# KiCad board RP2350_60QFN_minimal.kicad_pcb (continued)
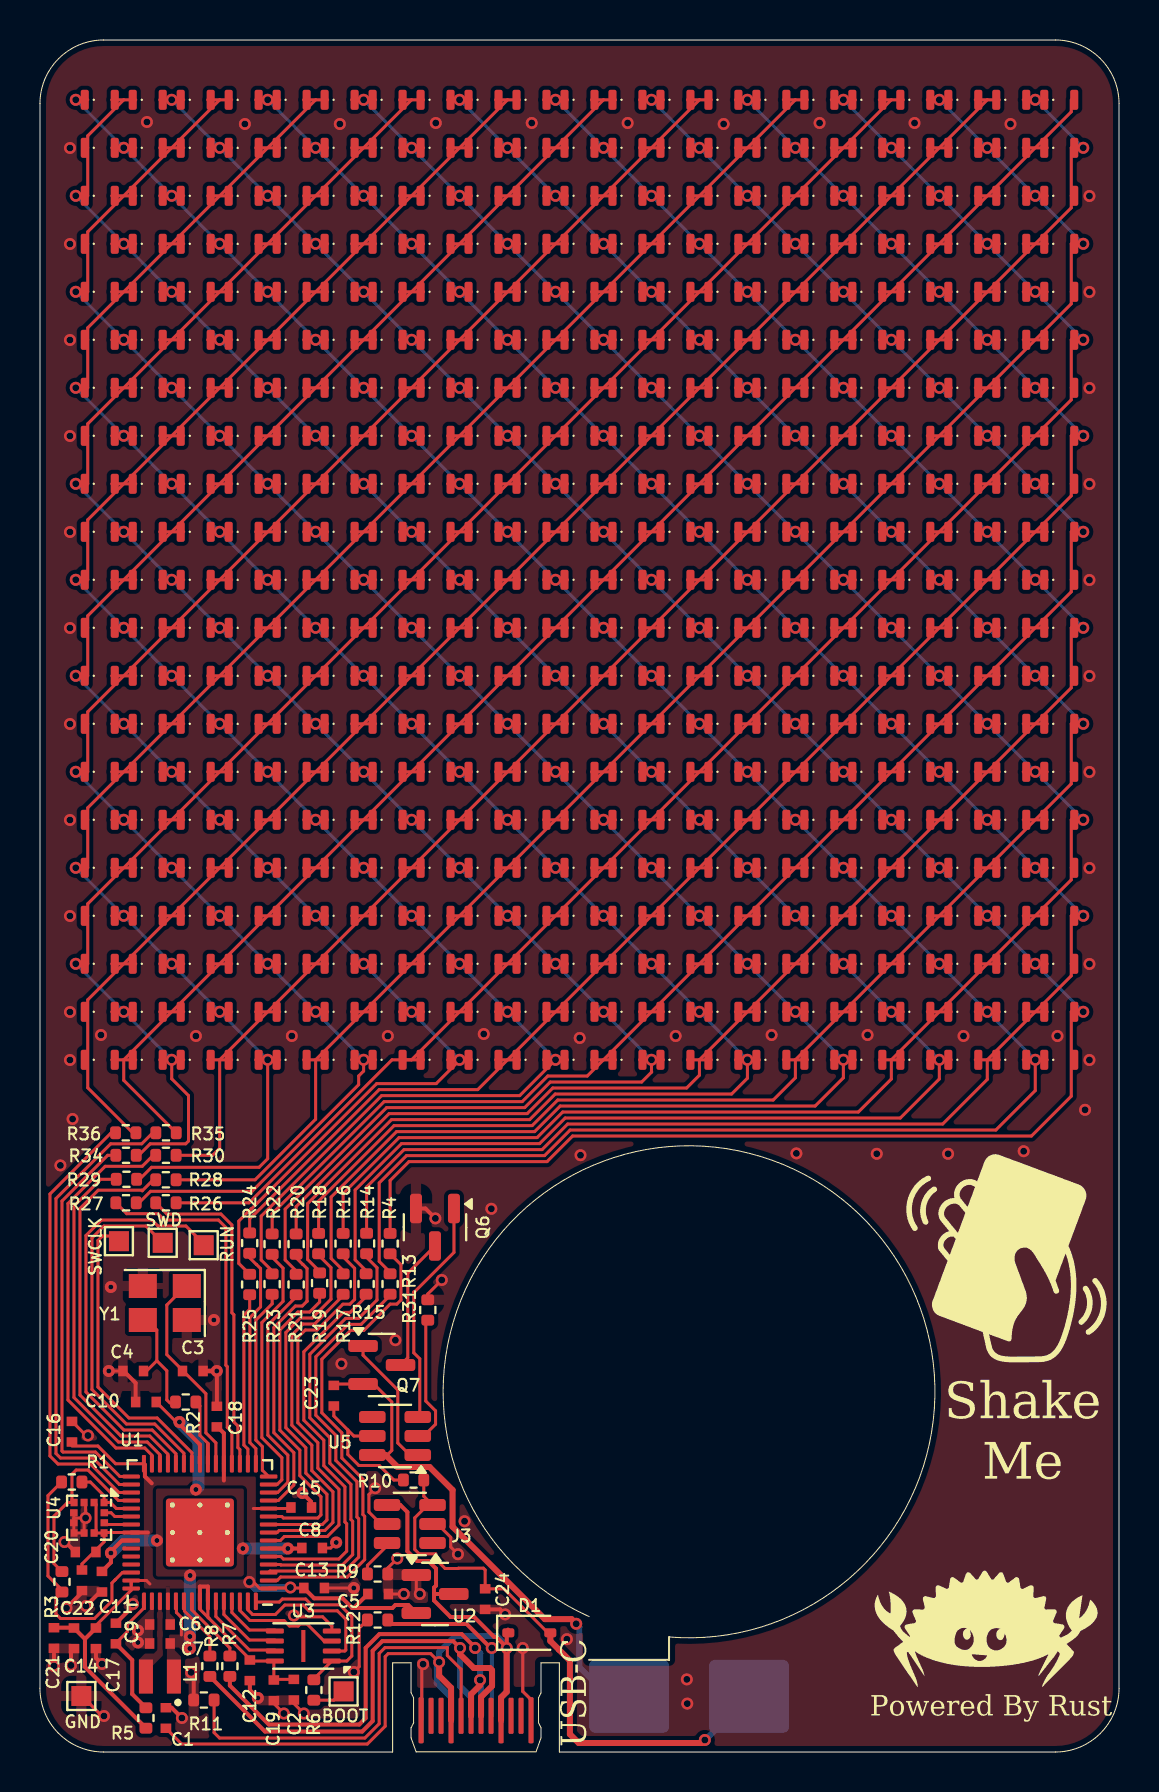
[diagram p0: board, top side]
## Routing (per net, layer and track width the routed paths; a pad name or vN(x,y) marks a point on that pad's centre or on a via; arc(x,y) is an arc through that point) (continued)
GND: length 56.4
  Top w0.15: 8.12,19.04 8.12,19.05 ; v2(20.1,23.6) 19.4,22.9 R31.1 ; 14.85,10.59 14.82,10.56 v1(14.82,10.48) 14.54,10.2 C8.2 ; v2(12.2,1.92) 11.7,2.42 C19.2 ; U4.7 1.69,10.96 U4.6 1.69,11.67 ; U4.7 U4.8 2.21,11.62 v2(2.28,11.7) ; U4.7 1.67,10.91 ; U4.7 1.76,10.89 ; 16.18,6.6 16.18,6.54 16.23,6.5 ; v1(3.44,19.05) 4.17,19.05 ; C16.2 2.31,15.82 v2(2.4,15.82) ; J1.A1 19.1,1.62 19.1,4.33 v2(19.16,4.39) ; v2(2.28,11.7) 1.72,11.7 1.69,11.67 ; v2(2.28,11.7) 2.28,12.4 U4.3 2.18,12.45 ; R12.2 15.97,6.19 15.97,4.27 v2(15.7,4) ; v1(15.7,8.2) C13.2 ; 1.69,11.67 U4.5 ; v2(3.2,1.8) 3.1,1.8 2.1,2.8 ; C2.2 12.7,2.42 v2(13.2,1.92) ; v2(12.7,6.82) 12.77,6.76 14.14,6.76 14.6,6.3 U3.4 ; C5.2 v2(18.2,7.9) ; v2(16.77,13.19) 16.45,12.88 16.45,12 17.05,11.4 J3.5 ; R9.2 17.4,9.2 v2(17.88,9.67) ; v2(19,7.9) 18.82,8.07 U2.1 ; J1.A12 24.57,2.62 24.15,3.03 v2(24.15,5.2) ; J3.2 19.88,11.4 20.55,10.73 20.55,10.25 v2(20.91,9.89)
  Top w0.2: R11.2 7.69,3.85 v2(7.56,3.98) ; 8.12,19.05 v1(8.85,19.05) 8.85,19.04 8.85,17.25 ; C11.2 3,8 v2(2.3,7.3) ; v2(3.1,4.4) 2.8,4.7 C17.2 ; C20.1 1.27,10.5 v2(1.23,10.5) 1.26,10.5 ; v2(23.27,6.88) 23.02,7.13 C24.2 ; v2(19.78,26.68) 19.29,27.17 Q6.2 ; C12.2 10.5,3.1 v1(10.9,2.7) ; 4.18,19.05 4.79,18.45 C10.2 ; C9.2 4.65,7.29 v2(4.65,7.4) ; v1(13.12,12.95) 13.55,12.52 13.55,12.22 ; C1.2 6.58,2.21 v2(7.1,1.7) ; v2(1.32,7.2) 2.1,7.97 C22.2 ; C14.2 1.55,5.02 v2(1.55,4.33) ; v2(0.7,4.3) 0.7,4.9
  Bottom w0.15: J1.B1 24.57,2.62 24.15,3.04 v2(24.15,5.2) ; v2(19.16,4.39) 19.1,4.33 19.1,1.62 J1.B12
  vias: v1(3.54,23.25) v1(4.9,6.07) v1(4.9,5.47) v1(8.7,21.6) v2(1.02,29.33) v2(1.5,80.2) v2(1.5,75.4) v2(1.5,70.6) v2(1.5,65.8) v2(1.5,61) v2(1.5,56.2) v2(1.5,51.4) v2(1.5,46.6) v2(1.5,41.8) v2(1.5,37) v2(1.5,34.6) v2(1.63,31.65) v2(3.05,35.85) v2(5.35,81.5) v2(7.8,35.8) v2(10.25,81.4) v2(12.6,35.8) v2(15,81.4) v2(15.08,19.41) v2(17.4,35.8) v2(17.78,20.59) v2(19.8,81.45) v2(21.24,11.54) v2(22.2,35.9) v2(22.58,27.16) v2(24.6,81.45) v2(26.36,5.64) v2(27,35.7) v2(27.04,29.84) v2(29.4,81.45) v2(31.8,35.8) v2(32.36,3.63) v2(32.38,2.42) v2(34.2,81.4) v2(36.6,35.85) v2(37.84,29.93) v2(39,81.45) v2(41.4,35.85) v2(41.86,29.91) v2(43.75,81.45) v2(45.43,29.91) v2(46.2,35.8) v2(48.55,81.4) v2(49.21,30.04) v2(50.9,35.8) v2(52.28,32.11) v2(52.5,77.8) v2(52.5,73) v2(52.5,68.2) v2(52.5,63.4) v2(52.5,58.6) v2(52.5,53.8) v2(52.5,49) v2(52.5,44.2) v2(52.5,39.4) v2(52.5,34.6)
VBUS: length 50.7
  Top w0.15: v2(19.97,4.49) 19.54,4.92 17.42,4.92 17.27,4.77 17.27,1.29 16.38,0.4 7.08,0.4 C1.1 ; U2.3 20.85,7.9
  Top w0.2: J3.4 18.02,12.35 18.38,11.99 18.38,10.04 18.87,9.55 19.43,9.55 19.81,9.17 19.81,8.32 19.71,8.22 19.71,7.93 ; U2.3 19.74,7.9 19.71,7.93 ; 19.71,7.93 19.71,7.58 20.54,6.75 21.72,6.75 22.72,5.75 22.83,5.75 23.35,5.23 v2(23.35,5.2) 23.35,6.06 23.41,6.12
  Top w0.3: J1.A4 20.57,3.21 19.97,3.81 v2(19.97,4.49) ; v2(23.35,5.2) 23.35,5.2 23.35,3.01 23.07,2.72 J1.A9
  Bottom w0.15: J1.B9 20.57,0.61
  Bottom w0.3: J1.B4 23.07,2.73 23.35,3.01 23.35,5.2 v2(23.35,5.2) 23.35,5.3 22.85,5.8 20.77,5.8 19.97,5 v2(19.97,4.49) 19.85,4.38 19.85,3.44 20.57,2.73 J1.B9
/FLASH_SS: length 9.7
  Top w0.15: 13.73,3.61 R6.1 13.7,3.65 U3.1 15.35,4.55 15.6,4.8 15.6,6.76 15,7.36 13.58,7.36 13.29,7.65 12.13,7.65 11.98,7.5 10.84,7.5 U1.60
/LED_ARRAY/D1: length 94.2
  Top w0.15: 46.79,82.61 47.39,82.61 ; 47.39,82.61 47.99,82.61 ; 47.39,82.61 2.39,37.61 2.39,33.21 4.64,30.96 R36.1 ; 25.19,61.01 26.39,61.01 ; 3.59,39.41 4.79,39.41 ; 8.39,44.21 9.59,44.21 ; 13.19,49.01 14.39,49.01 ; 17.99,53.81 19.19,53.81 ; 37.19,73.01 38.39,73.01 ; 15.59,51.41 16.79,51.41 ; 20.39,56.21 21.59,56.21 ; 29.99,65.81 31.19,65.81 ; 27.59,63.41 28.79,63.41 ; 34.79,70.61 35.99,70.61 ; 10.79,46.61 11.99,46.61 ; 39.59,75.41 40.79,75.41 ; 32.39,68.21 33.59,68.21 ; 5.99,41.81 7.19,41.81 ; 41.99,77.81 43.19,77.81 ; 22.79,58.61 23.99,58.61 ; 44.39,80.21 45.59,80.21
/LED_ARRAY/D2: length 96.4
  Top w0.15: 4.19,34.61 4.19,33.58 6.82,30.96 ; 4.19,34.61 3.59,34.61 ; 4.19,34.61 51.59,82.01 51.59,82.61 ; 4.19,34.61 4.79,34.61 ; 29.99,61.01 31.19,61.01 ; 10.79,41.81 11.99,41.81 ; 41.99,73.01 43.19,73.01 ; 17.99,49.01 19.19,49.01 ; 49.19,80.21 50.39,80.21 ; 15.59,46.61 16.79,46.61 ; 46.79,77.81 47.99,77.81 ; 27.59,58.61 28.79,58.61 ; 34.79,65.81 35.99,65.81 ; 5.99,37.01 7.19,37.01 ; 25.19,56.21 26.39,56.21 ; 22.79,53.81 23.99,53.81 ; 20.39,51.41 21.59,51.41 ; 8.39,39.41 9.59,39.41 ; 37.19,68.21 38.39,68.21 ; 13.19,44.21 14.39,44.21 ; 44.39,75.41 45.59,75.41 ; 32.39,63.41 33.59,63.41 ; 39.59,70.61 40.79,70.61
/LED_ARRAY/D3: length 97.4
  Top w0.15: 39.59,80.21 40.79,80.21 ; 3.59,44.21 4.79,44.21 ; 20.39,61.01 21.59,61.01 ; 42.59,82.61 2.39,42.41 2.39,39.41 v2(1.79,39.41) ; 42.59,82.61 41.99,82.61 ; 42.59,82.61 43.19,82.61 ; 10.79,51.41 11.99,51.41 ; 17.99,58.61 19.19,58.61 ; 22.79,63.41 23.99,63.41 ; 5.99,46.61 7.19,46.61 ; 27.59,68.21 28.79,68.21 ; v2(6.59,34.61) 7.19,34.61 ; v2(6.59,34.61) 6.59,33.66 7.43,32.82 7.43,30.55 7.29,30.41 5.51,30.41 4.94,29.83 4.82,29.83 ; v2(6.59,34.61) 5.99,34.61 ; 25.19,65.81 26.39,65.81 ; 15.59,56.21 16.79,56.21 ; 34.79,75.41 35.99,75.41 ; 4.79,37.01 v2(4.19,37.01) 3.59,37.01 ; 29.99,70.61 31.19,70.61 ; 32.39,73.01 33.59,73.01 ; 37.19,77.81 38.39,77.81 ; 13.19,53.81 14.39,53.81 ; 8.39,49.01 9.59,49.01
  Bottom w0.15: v2(6.59,34.61) v2(4.19,37.01) v2(1.79,39.41)
/LED_ARRAY/D4: length 96.8
  Top w0.15: 49.19,75.41 50.39,75.41 ; 8.99,34.61 9.59,34.61 ; 8.99,34.61 8.99,30.19 8.63,29.83 R30.1 ; 8.99,34.61 51.59,77.21 51.59,80.21 v2(52.19,80.21) ; 8.99,34.61 8.39,34.61 ; 22.79,49.01 23.99,49.01 ; 41.99,68.21 43.19,68.21 ; 20.39,46.61 21.59,46.61 ; 25.19,51.41 26.39,51.41 ; 49.19,82.61 v2(49.79,82.61) 50.39,82.61 ; 39.59,65.81 40.79,65.81 ; 27.59,53.81 28.79,53.81 ; 13.19,39.41 14.39,39.41 ; 17.99,44.21 19.19,44.21 ; 34.79,61.01 35.99,61.01 ; 15.59,41.81 16.79,41.81 ; 29.99,56.21 31.19,56.21 ; 44.39,70.61 45.59,70.61 ; 32.39,58.61 33.59,58.61 ; 37.19,63.41 38.39,63.41 ; 46.79,73.01 47.99,73.01 ; 10.79,37.01 11.99,37.01
  Bottom w0.15: v2(49.79,82.61) v2(52.19,80.21)
/LED_ARRAY/D5: length 102
  Top w0.15: 37.19,82.61 37.79,82.61 ; 37.79,82.61 2.39,47.21 2.39,44.21 v2(1.79,44.21) ; 37.79,82.61 38.39,82.61 ; 4.79,41.81 v2(4.19,41.81) 3.59,41.81 ; 13.19,58.61 14.39,58.61 ; 29.99,75.41 31.19,75.41 ; 27.59,73.01 28.79,73.01 ; v2(11.39,34.61) 11.99,34.61 ; v2(11.39,34.61) 10.79,34.61 ; v2(11.39,34.61) 11.39,29.66 10.96,29.23 5.58,29.23 4.98,28.63 R29.1 ; 7.19,39.41 v2(6.59,39.41) 5.99,39.41 ; 3.59,49.01 4.79,49.01 ; 10.79,56.21 11.99,56.21 ; 9.59,37.01 v2(8.99,37.01) 8.39,37.01 ; 32.39,77.81 33.59,77.81 ; 22.79,68.21 23.99,68.21 ; 34.79,80.21 35.99,80.21 ; 5.99,51.41 7.19,51.41 ; 17.99,63.41 19.19,63.41 ; 25.19,70.61 26.39,70.61 ; 15.59,61.01 16.79,61.01 ; 20.39,65.81 21.59,65.81 ; 8.39,53.81 9.59,53.81
  Bottom w0.15: v2(11.39,34.61) v2(4.19,41.81) v2(1.79,44.21)
/LED_ARRAY/D6: length 101.2
  Top w0.15: 49.19,70.61 50.39,70.61 ; 13.19,34.61 13.79,34.61 ; 13.79,34.61 13.79,31.64 10.76,28.61 R28.1 ; 13.79,34.61 51.59,72.41 51.59,75.41 v2(52.19,75.41) ; 13.79,34.61 14.39,34.61 ; 49.19,77.81 v2(49.79,77.81) 50.39,77.81 ; 46.79,68.21 47.99,68.21 ; 37.19,58.61 38.39,58.61 ; 22.79,44.21 23.99,44.21 ; 44.39,82.61 v2(44.99,82.61) 45.59,82.61 ; 32.39,53.81 33.59,53.81 ; 46.79,80.21 v2(47.39,80.21) 47.99,80.21 ; 20.39,41.81 21.59,41.81 ; 29.99,51.41 31.19,51.41 ; 44.39,65.81 45.59,65.81 ; 25.19,46.61 26.39,46.61 ; 39.59,61.01 40.79,61.01 ; 41.99,63.41 43.19,63.41 ; 15.59,37.01 16.79,37.01 ; 27.59,49.01 28.79,49.01 ; 17.99,39.41 19.19,39.41 ; 34.79,56.21 35.99,56.21
  Bottom w0.15: v2(44.99,82.61) v2(49.79,77.81) v2(52.19,75.41)
/LED_ARRAY/D7: length 105
  Top w0.15: 32.39,82.61 32.99,82.61 ; 32.99,82.61 33.59,82.61 ; 32.99,82.61 2.39,52.01 2.39,49.01 v2(1.79,49.01) ; 5.99,44.21 v2(6.59,44.21) 7.19,44.21 ; 13.19,37.01 v2(13.79,37.01) 14.39,37.01 ; 4.82,27.46 4.96,27.46 5.53,28.03 10.61,28.03 15.94,33.37 15.94,33.8 16.19,34.05 v2(16.19,34.61) ; 25.19,75.41 26.39,75.41 ; v2(16.19,34.61) 16.79,34.61 ; v2(16.19,34.61) 15.59,34.61 ; 5.99,56.21 7.19,56.21 ; 20.39,70.61 21.59,70.61 ; 22.79,73.01 23.99,73.01 ; 4.79,46.61 v2(4.19,46.61) 3.59,46.61 ; 10.79,61.01 11.99,61.01 ; 29.99,80.21 31.19,80.21 ; 10.79,39.41 v2(11.39,39.41) 11.99,39.41 ; 9.59,41.81 v2(8.99,41.81) 8.39,41.81 ; 13.19,63.41 14.39,63.41 ; 15.59,65.81 16.79,65.81 ; 27.59,77.81 28.79,77.81 ; 17.99,68.21 19.19,68.21 ; 8.39,58.61 9.59,58.61 ; 3.59,53.81 4.79,53.81
  Bottom w0.15: v2(16.19,34.61) v2(4.19,46.61) v2(1.79,49.01)
/LED_ARRAY/D8: length 104.8
  Top w0.15: 27.59,44.21 28.79,44.21 ; 43.19,80.21 v2(42.59,80.21) 41.99,80.21 ; 32.39,49.01 33.59,49.01 ; 44.39,77.81 v2(44.99,77.81) 45.59,77.81 ; 37.19,53.81 38.39,53.81 ; 46.79,63.41 47.99,63.41 ; 39.59,56.21 40.79,56.21 ; 34.79,51.41 35.99,51.41 ; 49.19,73.01 v2(49.79,73.01) 50.39,73.01 ; 41.99,58.61 43.19,58.61 ; 44.39,61.01 45.59,61.01 ; 18.59,34.61 19.19,34.61 ; 18.59,34.61 17.99,34.61 ; 18.59,34.61 51.59,67.61 51.59,70.61 v2(52.19,70.61) ; 18.59,34.61 17.61,34.61 10.46,27.46 R26.1 ; 40.79,82.61 v2(40.19,82.61) 39.59,82.61 ; 29.99,46.61 31.19,46.61 ; 50.39,65.81 49.19,65.81 ; 46.79,75.41 v2(47.39,75.41) 47.99,75.41 ; 22.79,39.41 23.99,39.41 ; 20.39,37.01 21.59,37.01 ; 25.19,41.81 26.39,41.81
  Bottom w0.15: v2(52.19,70.61) v2(49.79,73.01) v2(40.19,82.61)
/LED_ARRAY/D9: length 107.3
  Top w0.15: R25.1 9.95,24.43 9.95,26.54 10.56,27.16 10.58,27.16 16.84,33.42 19.82,33.42 20.99,34.59 v2(20.99,34.61) ; 15.59,39.41 v2(16.19,39.41) 16.79,39.41 ; 17.99,37.01 v2(18.59,37.01) 19.19,37.01 ; 20.39,34.61 v2(20.99,34.61) ; v2(20.99,34.61) 21.59,34.61 ; 9.59,46.61 v2(8.99,46.61) 8.39,46.61 ; 27.59,82.61 28.19,82.61 ; 28.19,82.61 2.39,56.81 2.39,53.81 v2(1.79,53.81) ; 28.19,82.61 28.79,82.61 ; 5.99,61.01 7.19,61.01 ; 17.99,73.01 19.19,73.01 ; 3.59,58.61 4.79,58.61 ; 13.19,41.81 v2(13.79,41.81) 14.39,41.81 ; 10.79,65.81 11.99,65.81 ; 10.79,44.21 v2(11.39,44.21) 11.99,44.21 ; 4.79,51.41 v2(4.19,51.41) 3.59,51.41 ; 5.99,49.01 v2(6.59,49.01) 7.19,49.01 ; 8.39,63.41 9.59,63.41 ; 15.59,70.61 16.79,70.61 ; 22.79,77.81 23.99,77.81 ; 13.19,68.21 14.39,68.21 ; 25.19,80.21 26.39,80.21 ; 20.39,75.41 21.59,75.41
  Bottom w0.15: v2(20.99,34.61) v2(4.19,51.41) v2(1.79,53.81)
/LED_ARRAY/D10: length 106.9
  Top w0.15: 43.19,75.41 v2(42.59,75.41) 41.99,75.41 ; 47.99,70.61 v2(47.39,70.61) 46.79,70.61 ; 34.79,82.61 v2(35.39,82.61) 35.99,82.61 ; 25.19,37.01 26.39,37.01 ; 44.39,56.21 45.59,56.21 ; 38.39,80.21 v2(37.79,80.21) 37.19,80.21 ; 39.59,51.41 40.79,51.41 ; 32.39,44.21 33.59,44.21 ; 37.19,49.01 38.39,49.01 ; 39.59,77.81 v2(40.19,77.81) 40.79,77.81 ; 23.39,34.61 21.9,33.12 16.97,33.12 10.71,26.86 10.68,26.86 10.49,26.67 R24.1 ; 23.39,34.61 22.79,34.61 ; 23.39,34.61 23.99,34.61 ; 23.39,34.61 51.59,62.81 51.59,65.81 v2(52.19,65.81) ; 34.79,46.61 35.99,46.61 ; 46.79,58.61 47.99,58.61 ; 27.59,39.41 28.79,39.41 ; 49.19,68.21 v2(49.79,68.21) 50.39,68.21 ; 41.99,53.81 43.19,53.81 ; 29.99,41.81 31.19,41.81 ; 49.19,61.01 50.39,61.01 ; 44.39,73.01 v2(44.99,73.01) 45.59,73.01
  Bottom w0.15: v2(35.39,82.61) v2(49.79,68.21) v2(52.19,65.81)
/LED_ARRAY/D11: length 111.1
  Top w0.15: 3.59,56.21 v2(4.19,56.21) 4.79,56.21 ; 20.39,80.21 21.59,80.21 ; v2(25.79,34.61) 24,32.82 17.09,32.82 11.06,26.79 11.06,24.6 11.62,24.05 R23.1 ; v2(25.79,34.61) 26.39,34.61 ; v2(25.79,34.61) 25.19,34.61 ; v2(1.79,58.61) 2.39,58.61 2.39,61.61 23.39,82.61 ; 13.19,73.01 14.39,73.01 ; 23.99,37.01 v2(23.39,37.01) 22.79,37.01 ; 8.39,68.21 9.59,68.21 ; 23.39,82.61 23.99,82.61 ; 23.39,82.61 22.79,82.61 ; 17.99,41.81 v2(18.59,41.81) 19.19,41.81 ; 17.99,77.81 19.19,77.81 ; 14.39,46.61 v2(13.79,46.61) 13.19,46.61 ; 16.79,44.21 v2(16.19,44.21) 15.59,44.21 ; 10.79,70.61 11.99,70.61 ; 3.59,63.41 4.79,63.41 ; 5.99,65.81 7.19,65.81 ; 9.59,51.41 v2(8.99,51.41) 8.39,51.41 ; 20.39,39.41 v2(20.99,39.41) 21.59,39.41 ; 11.99,49.01 v2(11.39,49.01) 10.79,49.01 ; 5.99,53.81 v2(6.59,53.81) 7.19,53.81 ; 15.59,75.41 16.79,75.41
  Bottom w0.15: v2(25.79,34.61) v2(4.19,56.21) v2(1.79,58.61)
/LED_ARRAY/D12: length 110.8
  Top w0.15: 49.19,56.21 50.39,56.21 ; 28.19,34.61 27.38,33.8 25.4,33.8 24.12,32.52 17.22,32.52 11.62,26.92 R22.1 ; 28.19,34.61 27.59,34.61 ; 28.19,34.61 28.79,34.61 ; 28.19,34.61 51.59,58.01 51.59,61.01 v2(52.19,61.01) ; 31.19,82.61 v2(30.59,82.61) 29.99,82.61 ; 39.59,73.01 v2(40.19,73.01) 40.79,73.01 ; 41.99,49.01 43.19,49.01 ; 49.19,63.41 v2(49.79,63.41) 50.39,63.41 ; 37.19,44.21 38.39,44.21 ; 39.59,46.61 40.79,46.61 ; 29.99,37.01 31.19,37.01 ; 33.59,80.21 v2(32.99,80.21) 32.39,80.21 ; 37.19,75.41 v2(37.79,75.41) 38.39,75.41 ; 34.79,77.81 v2(35.39,77.81) 35.99,77.81 ; 34.79,41.81 35.99,41.81 ; 44.39,51.41 45.59,51.41 ; 41.99,70.61 v2(42.59,70.61) 43.19,70.61 ; 44.39,68.21 v2(44.99,68.21) 45.59,68.21 ; 32.39,39.41 33.59,39.41 ; 46.79,65.81 v2(47.39,65.81) 47.99,65.81 ; 46.79,53.81 47.99,53.81
  Bottom w0.15: v2(30.59,82.61) v2(49.79,63.41) v2(52.19,61.01)
/LED_ARRAY/D13: length 115.3
  Top w0.15: 19.19,46.61 v2(18.59,46.61) 17.99,46.61 ; 10.79,53.81 v2(11.39,53.81) 11.99,53.81 ; 27.59,37.01 v2(28.19,37.01) 28.79,37.01 ; 17.99,82.61 18.59,82.61 ; 18.59,82.61 2.39,66.41 2.39,63.41 v2(1.79,63.41) ; 18.59,82.61 19.19,82.61 ; 5.99,70.61 7.19,70.61 ; R21.1 12.81,24.05 12.27,24.6 12.27,27.14 17.34,32.22 24.25,32.22 25.53,33.5 30.1,33.5 30.6,34 30.59,34.01 v2(30.59,34.61) ; 3.59,68.21 4.79,68.21 ; 14.39,51.41 v2(13.79,51.41) 13.19,51.41 ; 23.99,41.81 v2(23.39,41.81) 22.79,41.81 ; 15.59,49.01 v2(16.19,49.01) 16.79,49.01 ; 7.19,58.61 v2(6.59,58.61) 5.99,58.61 ; 4.79,61.01 v2(4.19,61.01) 3.59,61.01 ; 20.39,44.21 v2(20.99,44.21) 21.59,44.21 ; v2(30.59,34.61) 31.19,34.61 ; v2(30.59,34.61) 29.99,34.61 ; 8.39,56.21 v2(8.99,56.21) 9.59,56.21 ; 8.39,73.01 9.59,73.01 ; 13.19,77.81 14.39,77.81 ; 25.19,39.41 v2(25.79,39.41) 26.39,39.41 ; 15.59,80.21 16.79,80.21 ; 10.79,75.41 11.99,75.41
  Bottom w0.15: v2(1.79,63.41) v2(4.19,61.01) v2(30.59,34.61)
/LED_ARRAY/D14: length 115.1
  Top w0.15: 34.79,37.01 35.99,37.01 ; 32.39,75.41 v2(32.99,75.41) 33.59,75.41 ; 34.79,73.01 v2(35.39,73.01) 35.99,73.01 ; 49.19,58.61 v2(49.79,58.61) 50.39,58.61 ; 32.39,34.61 32.99,34.61 ; 32.99,34.61 33.59,34.61 ; 32.99,34.61 51.59,53.21 51.59,56.21 v2(52.19,56.21) ; 32.99,34.61 32.99,33.84 32.35,33.2 25.65,33.2 24.37,31.92 17.47,31.92 12.81,27.27 R20.1 ; 39.59,68.21 v2(40.19,68.21) 40.79,68.21 ; 47.99,61.01 v2(47.39,61.01) 46.79,61.01 ; 25.19,82.61 v2(25.79,82.61) 26.39,82.61 ; 37.19,39.41 38.39,39.41 ; 41.99,44.21 43.19,44.21 ; 38.39,70.61 v2(37.79,70.61) 37.19,70.61 ; 41.99,65.81 v2(42.59,65.81) 43.19,65.81 ; 29.99,77.81 v2(30.59,77.81) 31.19,77.81 ; 46.79,49.01 47.99,49.01 ; 44.39,46.61 45.59,46.61 ; 27.59,80.21 v2(28.19,80.21) 28.79,80.21 ; 44.39,63.41 v2(44.99,63.41) 45.59,63.41 ; 49.19,51.41 50.39,51.41 ; 39.59,41.81 40.79,41.81
  Bottom w0.15: v2(52.19,56.21) v2(49.79,58.61) v2(25.79,82.61)
/LED_ARRAY/D15: length 119.3
  Top w0.15: 19.19,51.41 v2(18.59,51.41) 17.99,51.41 ; 15.59,53.81 v2(16.19,53.81) 16.79,53.81 ; 26.39,44.21 v2(25.79,44.21) 25.19,44.21 ; 8.39,77.81 9.59,77.81 ; v2(35.39,34.61) 35.39,33.69 34.6,32.9 25.78,32.9 24.5,31.62 17.59,31.62 13.39,27.42 13.39,24.63 13.99,24.03 R19.1 ; v2(35.39,34.61) 34.79,34.61 ; v2(35.39,34.61) 35.99,34.61 ; 22.79,46.61 v2(23.39,46.61) 23.99,46.61 ; 13.79,82.61 14.39,82.61 ; 13.79,82.61 13.19,82.61 ; 13.79,82.61 2.39,71.21 2.39,68.21 v2(1.79,68.21) ; 33.59,37.01 v2(32.99,37.01) 32.39,37.01 ; 3.59,65.81 v2(4.19,65.81) 4.79,65.81 ; 20.39,49.01 v2(20.99,49.01) 21.59,49.01 ; 29.99,39.41 v2(30.59,39.41) 31.19,39.41 ; 3.59,73.01 4.79,73.01 ; 5.99,63.41 v2(6.59,63.41) 7.19,63.41 ; 13.19,56.21 v2(13.79,56.21) 14.39,56.21 ; 10.79,80.21 11.99,80.21 ; 28.79,41.81 v2(28.19,41.81) 27.59,41.81 ; 11.99,58.61 v2(11.39,58.61) 10.79,58.61 ; 8.39,61.01 v2(8.99,61.01) 9.59,61.01 ; 5.99,75.41 7.19,75.41
  Bottom w0.15: v2(35.39,34.61) v2(4.19,65.81) v2(1.79,68.21)
/LED_ARRAY/D16: length 119
  Top w0.15: 25.19,77.81 v2(25.79,77.81) 26.39,77.81 ; 32.39,70.61 v2(32.99,70.61) 33.59,70.61 ; 44.39,41.81 45.59,41.81 ; 27.59,75.41 v2(28.19,75.41) 28.79,75.41 ; 49.19,53.81 v2(49.79,53.81) 50.39,53.81 ; v2(52.19,51.41) 51.59,51.41 51.59,48.41 37.79,34.61 ; 37.79,34.61 38.39,34.61 ; 37.79,34.61 37.79,33.71 36.68,32.6 25.9,32.6 24.62,31.32 17.71,31.32 13.94,27.55 R18.1 ; 37.79,34.61 37.19,34.61 ; 45.59,58.61 v2(44.99,58.61) 44.39,58.61 ; 20.39,82.61 v2(20.99,82.61) 21.59,82.61 ; 39.59,37.01 40.79,37.01 ; 46.79,44.21 47.99,44.21 ; 46.79,56.21 v2(47.39,56.21) 47.99,56.21 ; 23.99,80.21 v2(23.39,80.21) 22.79,80.21 ; 38.39,65.81 v2(37.79,65.81) 37.19,65.81 ; 43.19,61.01 v2(42.59,61.01) 41.99,61.01 ; 34.79,68.21 v2(35.39,68.21) 35.99,68.21 ; 49.19,46.61 50.39,46.61 ; 39.59,63.41 v2(40.19,63.41) 40.79,63.41 ; 31.19,73.01 v2(30.59,73.01) 29.99,73.01 ; 41.99,39.41 43.19,39.41
  Bottom w0.15: v2(52.19,51.41) v2(49.79,53.81) v2(20.99,82.61)
/LED_ARRAY/D17: length 123.1
  Top w0.15: 3.59,70.61 v2(4.19,70.61) 4.79,70.61 ; 35.99,39.41 v2(35.39,39.41) 34.79,39.41 ; 8.99,82.61 2.39,76.01 2.39,73.01 v2(1.79,73.01) ; 8.99,82.61 9.59,82.61 ; 8.99,82.61 8.39,82.61 ; 37.19,37.01 v2(37.79,37.01) 38.39,37.01 ; v2(40.19,34.61) 40.19,33.71 38.78,32.3 26.03,32.3 24.75,31.02 17.84,31.02 14.56,27.75 14.56,24.68 15.16,24.08 R17.1 ; v2(40.19,34.61) 39.59,34.61 ; v2(40.19,34.61) 40.79,34.61 ; 3.59,77.81 4.79,77.81 ; 14.39,61.01 v2(13.79,61.01) 13.19,61.01 ; 32.39,41.81 v2(32.99,41.81) 33.59,41.81 ; 9.59,65.81 v2(8.99,65.81) 8.39,65.81 ; 31.19,44.21 v2(30.59,44.21) 29.99,44.21 ; 11.99,63.41 v2(11.39,63.41) 10.79,63.41 ; 17.99,56.21 v2(18.59,56.21) 19.19,56.21 ; 22.79,51.41 v2(23.39,51.41) 23.99,51.41 ; 26.39,49.01 v2(25.79,49.01) 25.19,49.01 ; 27.59,46.61 v2(28.19,46.61) 28.79,46.61 ; 15.59,58.61 v2(16.19,58.61) 16.79,58.61 ; 5.99,80.21 7.19,80.21 ; 7.19,68.21 v2(6.59,68.21) 5.99,68.21 ; 20.39,53.81 v2(20.99,53.81) 21.59,53.81
  Bottom w0.15: v2(1.79,73.01) v2(4.19,70.61) v2(40.19,34.61)
/LED_ARRAY/D18: length 122.8
  Top w0.15: 42.59,34.61 43.19,34.61 ; 42.59,34.61 41.99,34.61 ; 42.59,34.61 42.59,33.65 40.94,32 26.15,32 24.87,30.72 17.96,30.72 15.16,27.92 R16.1 ; 42.59,34.61 51.59,43.61 51.59,46.61 v2(52.19,46.61) ; 16.79,82.61 v2(16.19,82.61) 15.59,82.61 ; 32.39,65.81 v2(32.99,65.81) 33.59,65.81 ; 43.19,56.21 v2(42.59,56.21) 41.99,56.21 ; 25.19,73.01 v2(25.79,73.01) 26.39,73.01 ; 28.79,70.61 v2(28.19,70.61) 27.59,70.61 ; 22.79,75.41 v2(23.39,75.41) 23.99,75.41 ; 50.39,49.01 v2(49.79,49.01) 49.19,49.01 ; 44.39,53.81 v2(44.99,53.81) 45.59,53.81 ; 21.59,77.81 v2(20.99,77.81) 20.39,77.81 ; 44.39,37.01 45.59,37.01 ; 35.99,63.41 v2(35.39,63.41) 34.79,63.41 ; 49.19,41.81 50.39,41.81 ; 17.99,80.21 v2(18.59,80.21) 19.19,80.21 ; 46.79,51.41 v2(47.39,51.41) 47.99,51.41 ; 29.99,68.21 v2(30.59,68.21) 31.19,68.21 ; 37.19,61.01 v2(37.79,61.01) 38.39,61.01 ; 39.59,58.61 v2(40.19,58.61) 40.79,58.61 ; 46.79,39.41 47.99,39.41
  Bottom w0.15: v2(52.19,46.61) v2(49.79,49.01) v2(16.19,82.61)
/LED_ARRAY/D19: length 126.9
  Top w0.15: 22.79,56.21 v2(23.39,56.21) 23.99,56.21 ; 19.19,61.01 v2(18.59,61.01) 17.99,61.01 ; 34.79,44.21 v2(35.39,44.21) 35.99,44.21 ; 27.59,51.41 v2(28.19,51.41) 28.79,51.41 ; 43.19,37.01 v2(42.59,37.01) 41.99,37.01 ; 3.59,82.61 4.19,82.61 ; 4.19,82.61 2.39,80.81 2.39,77.81 v2(1.79,77.81) ; 4.19,82.61 4.79,82.61 ; 40.79,39.41 v2(40.19,39.41) 39.59,39.41 ; 13.19,65.81 v2(13.79,65.81) 14.39,65.81 ; 7.19,73.01 v2(6.59,73.01) 5.99,73.01 ; 4.79,75.41 v2(4.19,75.41) 3.59,75.41 ; 44.39,34.61 v2(44.99,34.61) ; v2(44.99,34.61) 45.59,34.61 ; v2(44.99,34.61) 44.99,33.65 43.04,31.7 26.27,31.7 24.99,30.42 18.09,30.42 15.77,28.1 15.77,24.61 16.32,24.06 R15.1 ; 31.19,49.01 v2(30.59,49.01) 29.99,49.01 ; 32.39,46.61 v2(32.99,46.61) 33.59,46.61 ; 10.79,68.21 v2(11.39,68.21) 11.99,68.21 ; 20.39,58.61 v2(20.99,58.61) 21.59,58.61 ; 38.39,41.81 v2(37.79,41.81) 37.19,41.81 ; 15.59,63.41 v2(16.19,63.41) 16.79,63.41 ; 8.39,70.61 v2(8.99,70.61) 9.59,70.61 ; 25.19,53.81 v2(25.79,53.81) 26.39,53.81
  Bottom w0.15: v2(1.79,77.81) v2(4.19,75.41) v2(44.99,34.61)
/LED_ARRAY/D20: length 126.6
  Top w0.15: v2(52.19,41.81) 51.59,41.81 51.59,38.81 47.39,34.61 ; 47.39,34.61 47.39,33.63 45.16,31.4 26.4,31.4 25.12,30.12 18.21,30.12 16.34,28.25 R14.1 ; 47.39,34.61 46.79,34.61 ; 47.39,34.61 47.99,34.61 ; 17.99,75.41 v2(18.59,75.41) 19.19,75.41 ; 46.79,46.61 v2(47.39,46.61) 47.99,46.61 ; 50.39,44.21 v2(49.79,44.21) 49.19,44.21 ; 21.59,73.01 v2(20.99,73.01) 20.39,73.01 ; 38.39,56.21 v2(37.79,56.21) 37.19,56.21 ; 45.59,49.01 v2(44.99,49.01) 44.39,49.01 ; 31.19,63.41 v2(30.59,63.41) 29.99,63.41 ; 39.59,53.81 v2(40.19,53.81) 40.79,53.81 ; 35.99,58.61 v2(35.39,58.61) 34.79,58.61 ; 22.79,70.61 v2(23.39,70.61) 23.99,70.61 ; 14.39,80.21 v2(13.79,80.21) 13.19,80.21 ; 43.19,51.41 v2(42.59,51.41) 41.99,51.41 ; 10.79,82.61 v2(11.39,82.61) 11.99,82.61 ; 32.39,61.01 v2(32.99,61.01) 33.59,61.01 ; 27.59,65.81 v2(28.19,65.81) 28.79,65.81 ; 26.39,68.21 v2(25.79,68.21) 25.19,68.21 ; 15.59,77.81 v2(16.19,77.81) 16.79,77.81 ; 49.19,37.01 50.39,37.01
  Bottom w0.15: v2(52.19,41.81) v2(49.79,44.21) v2(11.39,82.61)
/LED_ARRAY/D21: length 133.5
  Top w0.15: 40.79,44.21 v2(40.19,44.21) 39.59,44.21 ; 34.79,49.01 v2(35.39,49.01) 35.99,49.01 ; 17.99,65.81 v2(18.59,65.81) 19.19,65.81 ; 28.79,56.21 v2(28.19,56.21) 27.59,56.21 ; 5.99,77.81 v2(6.59,77.81) 7.19,77.81 ; R13.1 17.52,23.98 16.97,24.53 16.97,28.45 18.34,29.82 25.24,29.82 26.52,31.1 47.82,31.1 49.79,33.07 v2(49.79,34.61) ; 8.39,75.41 v2(8.99,75.41) 9.59,75.41 ; 10.79,73.01 v2(11.39,73.01) 11.99,73.01 ; 14.39,70.61 v2(13.79,70.61) 13.19,70.61 ; 15.59,68.21 v2(16.19,68.21) 16.79,68.21 ; 25.19,58.61 v2(25.79,58.61) 26.39,58.61 ; 44.39,39.41 v2(44.99,39.41) 45.59,39.41 ; 23.99,61.01 v2(23.39,61.01) 22.79,61.01 ; 20.39,63.41 v2(20.99,63.41) 21.59,63.41 ; 43.19,41.81 v2(42.59,41.81) 41.99,41.81 ; 33.59,51.41 v2(32.99,51.41) 32.39,51.41 ; 47.99,37.01 v2(47.39,37.01) 46.79,37.01 ; 31.19,53.81 v2(30.59,53.81) 29.99,53.81 ; v2(49.79,34.61) 50.39,34.61 ; v2(49.79,34.61) 49.19,34.61 ; 3.59,80.21 v2(4.19,80.21) 4.79,80.21 ; 2.39,82.61 v2(1.79,82.61) ; 38.39,46.61 v2(37.79,46.61) 37.19,46.61
  Bottom w0.15: v2(1.79,82.61) v2(4.19,80.21) v2(47.39,37.01) v2(49.79,34.61)
/LED_ARRAY/D22: length 130.6
  Top w0.15: 28.79,61.01 v2(28.19,61.01) 27.59,61.01 ; 8.39,80.21 v2(8.99,80.21) 9.59,80.21 ; v2(52.19,37.01) 51.59,37.01 51.59,32.79 49.6,30.8 26.65,30.8 25.37,29.52 18.46,29.52 17.52,28.58 R4.1 ; 29.99,58.61 v2(30.59,58.61) 31.19,58.61 ; 26.39,63.41 v2(25.79,63.41) 25.19,63.41 ; 5.99,82.61 v2(6.59,82.61) 7.19,82.61 ; 10.79,77.81 v2(11.39,77.81) 11.99,77.81 ; 46.79,41.81 v2(47.39,41.81) 47.99,41.81 ; 37.19,51.41 v2(37.79,51.41) 38.39,51.41 ; 13.19,75.41 v2(13.79,75.41) 14.39,75.41 ; 15.59,73.01 v2(16.19,73.01) 16.79,73.01 ; 19.19,70.61 v2(18.59,70.61) 17.99,70.61 ; 39.59,49.01 v2(40.19,49.01) 40.79,49.01 ; 34.79,53.81 v2(35.39,53.81) 35.99,53.81 ; 41.99,46.61 v2(42.59,46.61) 43.19,46.61 ; 20.39,68.21 v2(20.99,68.21) 21.59,68.21 ; 32.39,56.21 v2(32.99,56.21) 33.59,56.21 ; 49.19,39.41 v2(49.79,39.41) 50.39,39.41 ; 45.59,44.21 v2(44.99,44.21) 44.39,44.21 ; 23.99,65.81 v2(23.39,65.81) 22.79,65.81
  Bottom w0.15: v2(6.59,82.61) v2(49.79,39.41) v2(52.19,37.01)
/QSPI_SCLK: length 3.7
  Top w0.15: U1.56 9.2,6.88 10.47,5.6 11.75,5.6
/QSPI_SD0: length 3.1
  Top w0.15: U1.57 9.6,6.97 10.47,6.1 11.75,6.1
/QSPI_SD1: length 8.2
  Top w0.15: U3.2 15.25,5.05 15.3,5.1 15.3,6.63 14.87,7.06 13.46,7.06 13.17,7.35 12.25,7.35 11.78,6.88 10.64,6.88 10.4,7.11 U1.59
/QSPI_SD2: length 5.8
  Top w0.15: U3.3 14.21,5.55 13.36,6.4 13.02,6.4 12.92,6.3 12.48,6.3 12.21,6.57 10.5,6.57 10,7.07 U1.58
/QSPI_SD3: length 4.4
  Top w0.15: U1.55 8.8,6.77 10.47,5.1 11.75,5.1
/USB_D+: length 23.4
  Top w0.2: v2(21.77,5.2) 21.77,5.22 21.1,5.89 16.98,5.89 16.29,5.21 16.29,1.69 15.97,1.38 11.45,1.38 9.5,3.32 R7.1
  Top w0.3: v2(22.02,3.6) 22.02,3.34 21.57,2.89 J1.A6 ; v2(21.77,5.2) 21.77,5.36
  Bottom w0.3: v2(21.77,5.2) 22.02,4.94 22.02,3.61 v2(22.02,3.6) 22.07,3.55 J1.B6
/USB_D-: length 26.1
  Top w0.2: R8.1 11.26,1.02 16.12,1.02 16.64,1.55 16.64,5.06 17.12,5.54 20.67,5.54 v2(21.02,5.2)
  Top w0.3: J1.A7 22.07,2.75 22.61,3.3 22.61,4.08 22.5,4.2 21.7,4.2 21.02,4.88 v2(21.02,5.2)
  Bottom w0.3: v2(21.02,5.2) 21.02,3.28 21.57,2.73 J1.B7
/VREG_AVDD: length 6.5
  Top w0.15: 3.8,5.44 4.38,6.02 4.38,6.38 5.2,7.2 5.2,7.38
  Top w0.2: C9.1 4.61,4.6 4.61,2.9 R5.2 ; 5.2,2.25 5.2,2.2 ; U1.46 5.2,7.38
/XIN: length 10.8
  Top w0.15: 7.17,19.05 8.3,17.91 8.3,15.96 8.8,15.46 U1.21 ; 7.17,19.05 7,18.88 ; 7.17,19.05 6.34,19.87 6.34,22.35 7.29,23.3 7.54,23.3
/XOUT: length 3.3
  Top w0.15: R2.1 8,17.3 8,15.83 8.4,15.43 8.4,15.4
  Top w0.2: 8.4,15.4 U1.22
ACCEL INTERRPUT 1: length 1.4
  Top w0.15: U1.36 3.74,11.77 3.56,11.96 U4.12
ACCEL INTERRUPT 2: length 1.4
  Top w0.15: U1.37 3.31,11.38 U4.11
ENABLE_ACCEL: length 12.7
  Top w0.15: U1.43 4.12,8.97 3.77,8.62 ; 3.77,8.62 3.72,8.57 ; 3.77,8.62 3.6,8.45 3.6,7.55 2.73,6.67 1.02,6.67 0.8,6.9 0.8,7.7 R3.2 1.1,8.1 0.4,8.8 0.4,12.82 R1.2
I2C1_SCL: length 3.2
  Top w0.15: U1.35 3.82,12.17 3.52,12.47 U4.1 3.21,12.81 2.52,13.5 R1.1
I2C1_SDA: length 9.4
  Top w0.15: U4.4 1.76,12.47 ; U4.4 1.38,12.47 0.7,11.79 0.7,9.42 R3.1 ; U4.4 1.6,12.58 1.6,13.89 1.81,14.1 2.4,14.1 3.92,12.57 U1.34
Net-(BOOT1-Pad1): length 1.7
  Top w0.15: R6.2 14.69,2.59 15.2,3.1
Net-(BT1-+): length 29
  Top w0.15: R10.1 19.2,12.79 J3.3 19.39,12.35 18.75,11.71 18.75,10.12 18.96,9.91 19.8,9.91 19.8,9.64 20.27,9.17 20.92,9.17 20.93,9.19 22.18,9.19 22.27,9.1 C24.1 23.21,8.16 25.41,5.96 D1.2
  Top w0.3: v2(33.26,0.6) 33.11,0.45 26.95,0.45 26.51,0.89 26.51,4.57 25.96,5.12 25.53,5.55 D1.2
  Bottom w0.3: v2(33.26,0.6) 33.28,0.6 BT1.1
Net-(BT1--): length 26.9
  Top w0.15: C23.2 14.77,18.4 Q7.2 16.7,18.4 17.6,17.5 17.6,15.08 17.37,14.85 U5.6
  Top w0.3: v2(26.83,6.41) 26.59,6.64 25.26,6.64 20.64,11.26 20.64,13.1 19.49,14.25 17.89,14.25 17.29,14.85 U5.6
  Bottom w0.3: v2(26.83,6.41) 26.98,6.25 26.98,4.24 28.43,2.78 BT1.2
Net-(C4-Pad1): length 5.6
  Top w0.15: 5.84,19.56 5.84,21.1 5.34,21.6 ; 5.84,19.56 5.33,19.05 5.13,19.05 ; 5.84,19.56 6.34,19.06 6.34,17.6 6.5,17.45
Net-(J1-CC1): length 21
  Top w0.15: R11.1 8.71,0.97 8.98,0.7 16.25,0.7 16.97,1.41 16.97,4.93 17.26,5.22 20.38,5.22 20.38,4.82 21.07,4.13 J1.A5
Net-(J1-CC2): length 9.2
  Top w0.2: v2(22.6,5.2) 22.55,5.2 21.35,6.4 17.6,6.4 R12.1
  Bottom w0.2: v2(22.6,5.2) 22.6,1.85 J1.B5
Net-(J3-PROG): length 2
  Top w0.15: R9.1 16.38,9.33 17.36,10.31 J3.6
Net-(Q6-D): length 7.1
  Top w0.15: Q7.3 18.4,19.71 18.4,23.94 Q6.3 ; 18.36,19.52 18.04,19.2
Net-(Q6-G): length 11.4
  Top w0.15: Q6.1 20.71,24.98 18.73,23 18.7,23 18.7,19.96 19,19.66 19,16.85 U5.3
Net-(Q7-G): length 6.8
  Top w0.15: Q7.1 16.16,19.84 17.9,18.1 17.9,15.45 18.5,14.85 U5.1
Net-(U1-GPIO0): length 23.9
  Top w0.15: R4.2 18.06,24.36 18.06,22.6 17.85,22.39 17.52,22.39 16.2,21.08 15.54,21.08 14.1,19.64 14.1,16.96 15.1,15.96 15.1,14.7 16.16,13.64 16.16,11.87 16.24,11.78 16.24,9.62 15.37,8.75 12.04,8.75 11.87,8.57 U1.2
Net-(U1-GPIO1): length 20.7
  Top w0.15: 17.44,22.89 17.44,22.76 16.06,21.38 15.42,21.38 13.8,19.76 13.8,16.84 14.8,15.84 14.8,14.57 15.86,13.52 15.86,11.75 15.94,11.66 15.94,9.74 15.25,9.05 11.51,9.05 U1.3
Net-(U1-GPIO2): length 22.4
  Top w0.15: R14.2 16.34,24.73 16.86,24.21 16.86,22.6 15.94,21.68 15.29,21.68 13.5,19.89 13.5,16.71 14.5,15.71 14.5,14.44 15.55,13.38 15.55,11.62 15.64,11.54 15.64,9.87 15.13,9.35 12.05,9.35 12.03,9.38 U1.4
Net-(U1-GPIO3): length 19.3
  Top w0.15: R15.2 16.32,22.78 15.52,21.98 15.17,21.98 13.2,20.01 13.2,16.59 14.2,15.59 14.2,14.31 15.26,13.26 15.26,11.5 15.34,11.41 15.34,10.04 14.95,9.65 12.17,9.65 12.05,9.77 U1.5
Net-(U1-GPIO4): length 20.2
  Top w0.15: R16.2 15.16,24.76 15.74,24.18 15.74,22.63 15.5,22.39 15.15,22.39 13.86,21.1 13.27,21.1 12.9,20.73 12.9,16.46 13.9,15.46 13.9,14.19 14.96,13.14 14.96,11.35 14.38,10.77 12.22,10.77 12.03,10.57 U1.7
Net-(U1-GPIO5): length 17.1
  Top w0.15: U1.8 11.87,10.97 11.97,11.07 14.25,11.07 14.65,11.48 14.65,13.01 13.6,14.07 13.6,15.34 12.6,16.34 12.6,20.85 13.15,21.4 13.74,21.4 15.16,22.83 15.16,22.88
Net-(U1-GPIO6): length 18.7
  Top w0.15: R18.2 13.94,24.84 14.56,24.22 14.56,22.64 13.61,21.7 13.02,21.7 12.3,20.98 12.3,16.22 13.3,15.22 13.3,13.94 14.36,12.89 14.36,11.6 14.13,11.38 U1.9
Net-(U1-GPIO7): length 15.8
  Top w0.15: 13.99,22.88 13.99,22.5 13.49,22 12.9,22 12,21.1 12,16.09 13,15.09 13,13.82 14.05,12.76 14.05,11.85 13.9,11.7 12.18,11.7 12.1,11.77 U1.10
Net-(U1-GPIO8): length 14.7
  Top w0.15: 13.36,22.54 13.12,22.3 12.78,22.3 11.7,21.22 11.7,15.97 12.7,14.97 12.7,13.35 11.92,12.57 U1.12 ; 13.36,22.54 13.36,22.53 ; 13.36,22.54 13.36,24.17 13.15,24.38 13.14,24.38 12.81,24.71 12.81,24.88
Net-(U1-GPIO9): length 11.6
  Top w0.15: U1.13 11.89,12.97 12.4,13.49 12.4,14.84 11.4,15.84 11.4,21.35 12.81,22.76 R21.2
Net-(U1-GPIO10): length 13.1
  Top w0.15: U1.14 11.86,13.38 12.1,13.61 12.1,14.72 11.1,15.72 11.1,21.47 12.16,22.53 12.16,24.19 11.62,24.74 11.62,24.88
Net-(U1-GPIO11): length 9.7
  Top w0.15: U1.15 11.12,14.09 11.12,15.27 10.8,15.59 10.8,21.6 11.62,22.41 11.62,22.88
Net-(U1-GPIO12): length 11.1
  Top w0.15: U1.16 10.8,15.17 10.5,15.47 10.5,21.72 11.04,22.26 11.04,24.17 10.83,24.38 10.82,24.38 10.49,24.71 R24.2
Net-(U1-GPIO13): length 8.7
  Top w0.15: R25.2 10.49,22.13 10.2,21.84 10.2,15.35 10.4,15.15 U1.17
Net-(U1-GPIO14): length 16.4
  Top w0.15: U1.18 10,15.12 9.9,15.22 9.9,16.3 9.7,16.5 9.7,21.86 9.6,21.96 9.6,26.35 9.05,26.9 6.35,26.9 R26.2
Net-(U1-GPIO15): length 18
  Top w0.15: U1.19 9.6,16 9.37,16.23 9.37,19.27 9.3,19.34 9.3,26.23 8.93,26.6 6.23,26.6 5.91,26.91 4.34,26.91 R27.2
Net-(U1-GPIO16): length 19.8
  Top w0.15: U1.27 6.4,14.89 5.49,15.8 4.05,15.8 2,17.85 2,27.18 2.91,28.09 5.08,28.09 5.12,28.06 5.67,28.61 R28.2
Net-(U1-GPIO17): length 18.2
  Top w0.15: R29.2 3.03,28.63 1.7,27.3 1.7,17.72 3.92,15.5 5.37,15.5 6,14.87 U1.28
Net-(U1-GPIO18): length 21.1
  Top w0.15: U1.29 5.6,14.84 5.24,15.2 3.8,15.2 1.4,17.6 1.4,27.42 3.26,29.28 5.12,29.28 5.67,29.83 R30.2 ; 5.7,29.76 5.79,29.76
Net-(U1-GPIO19): length 20.1
  Top w0.15: R34.2 3.39,29.83 1.1,27.55 1.1,15.05 1.15,15 2.77,15 4,13.77 U1.31
Net-(U1-GPIO20): length 23.5
  Top w0.15: U1.32 3.97,13.38 2.65,14.7 1.02,14.7 0.8,14.92 0.8,27.67 3.54,30.41 5.09,30.41 5.64,30.96 R35.2
Net-(U1-GPIO21): length 22.5
  Top w0.15: R36.2 3.56,30.96 0.5,27.9 0.5,14.8 0.9,14.4 2.52,14.4 3.95,12.97 U1.33
Net-(U1-RUN): length 20.7
  Top w0.15: 8.1,25.5 7.3,26.3 5.9,26.3 5.6,26.6 3.08,26.6 2.3,25.82 2.3,18 4.2,16.1 5.61,16.1 6.8,14.91 U1.26
Net-(U1-SWCLK): length 14.8
  Top w0.15: 3.7,25.8 3.12,25.8 2.9,25.58 2.9,18.25 4.45,16.7 5.86,16.7 7.6,14.96 U1.24
Net-(U1-SWD): length 18.1
  Top w0.15: U1.25 7.2,14.94 5.74,16.4 4.32,16.4 2.6,18.12 2.6,25.7 3.2,26.3 5.3,26.3 6.1,25.5
Net-(U1-USB_DM): length 3.3
  Top w0.15: U1.51 7.22,7.51 7.22,7.05 8.5,5.78 R8.2
Net-(U1-USB_DP): length 3.5
  Top w0.15: R7.2 9.5,5.2 7.6,7.1 U1.52
Net-(U5-CS): length 6.6
  Top w0.15: R31.2 19.3,21.49 19.3,17.55 19.79,17.06 19.79,16.39 19.2,15.8 U5.2
Net-(U5-VCC): length 8
  Top w0.15: 15.4,16.1 14.7,16.8 C23.1 ; 15.4,16.1 15.7,15.8 U5.5 ; 15.4,16.1 15.4,14.88 15.95,14.32 16.98,14.32 17.7,13.6 R10.2 ; 16.3,15.8 16.96,15.8

## Copper pours and planes (outline as drawn; the poured copper is in the pictures)
+1V1 on Top: 5.8,13.17 10.2,13.17 10.2,8.77 5.8,8.77
+1V1 on Top: 6.35,5.67 6.35,2.92 7.05,2.92 7.05,4.77 6.75,5.07 6.75,5.22 6.95,5.22 7.3,4.88 7.5,4.88 7.8,5.17 7.8,5.77 7.5,6.07 7,6.07 7,5.88 6.45,5.88 6.45,5.67
+3V3 on Top: 5.2,13.77 10.8,13.77 10.8,8.17 5.2,8.17
GND on Top: 9.04,18.05 3.44,18.05 3.04,18.45 3.04,24.75 9.45,24.75 9.45,18.45
GND on Top: 5.7,7.82 5.7,6.12 5.55,6.12 5.55,5.67 5.7,5.67 5.7,5.17 4.9,5.17 4.6,5.47 4.6,6.22 5.5,7.12 5.5,7.82
GND on Top, Bottom: 18.65,3.2 18.68,0 -0.05,-0.05 0,85.6 54.02,85.57 53.98,-0.03 25.98,-0.03 26,3.27
/VREG_LX on Top: 6.1,7.82 6.1,7.02 6.15,6.97 6.15,4.82 5.65,4.32 5.65,2.92 4.95,2.92 4.95,4.62 5.25,4.92 5.7,4.92 5.85,5.07 5.85,6.97 5.9,7.02 5.9,7.82

Small or netless copper shapes (teardrops, artwork), in the pictures only: 1 on Top

## Text on the board
B.Silkscreen: Nicholas-L-Johnson@pm.me / GitHub.com/Nicholas-L-Johnson/flip-card | Embedded Design | Nick Johnson
F.Silkscreen: USB-C | Powered By Rust | Shake / Me
